# Altium PCB relay_matrix.PcbDoc (part 4 of 9)
Units mm, origin at the board's own origin, x right, y up, seen from the top; angles counter-clockwise.
Board outline 330 x 220 mm, 2 copper layers (Top Layer, Bottom Layer); 498 components, 345 nets, 2134 pads, 717 vias.
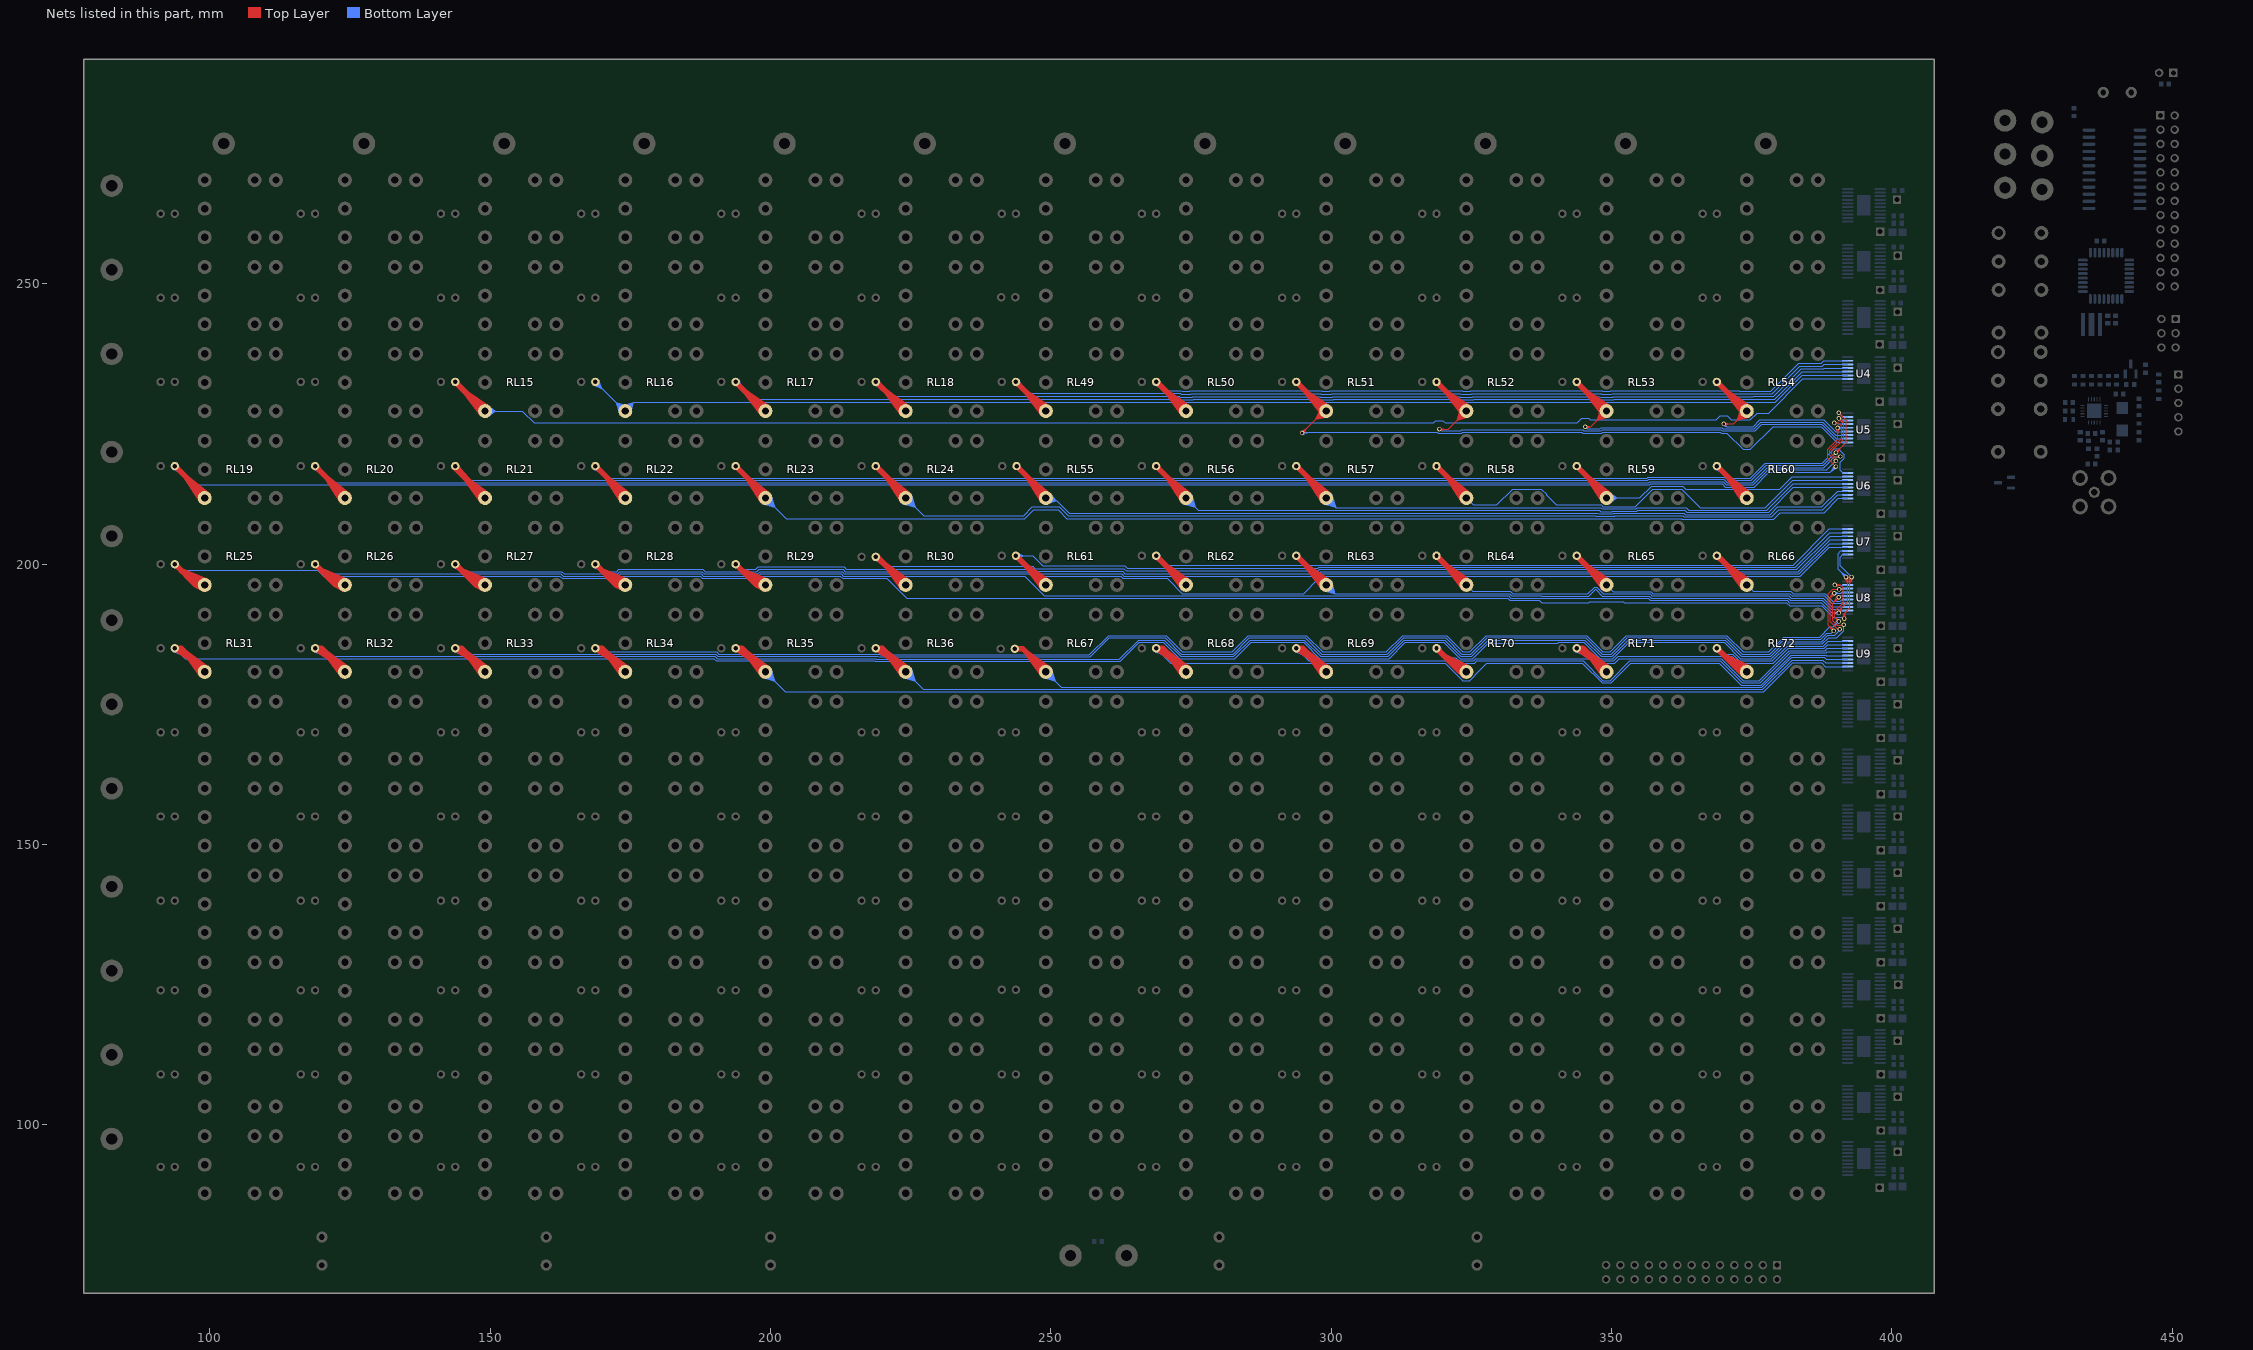
[diagram p4: the nets of this part, all layers, seen from the top]

## Via types
v1: diameter 0.8, hole 0.5, Top Layer to Bottom Layer, 477 vias
v2: diameter 0.8, hole 0.5, Top Layer to Bottom Layer, tented both sides, 122 vias
v3: diameter 0.6, hole 0.3, Top Layer to Bottom Layer, 112 vias
v4: diameter 7, hole 5, Top Layer to Bottom Layer, 6 vias

## Nets (pads, with @x,y where several pads share a name; then routed paths per layer and width w, separated by ;. In a path a pad name is that pad's centre, name@x,y a point inside that pad or via, vN(x,y) a via of type N, cw(c..) or ccw(c..) an arc to the next point about the centre after c; other vN are vias at no path point) (continued)
CONTROL_26: D15.2 RL15.3 U4.4 | length 293
  Top Layer w1: D15.2@143.77,232.5 148.97,227.3 RL15.3@149.1,227.3 145.678,230.592 ; RL15.3@148.539,226.802 145.678,230.592 ; RL15.3@149.576,227.88 145.678,230.592
  Bottom Layer w0.2: RL15.3@149.1,227.3 155.737,227.3 157.837,225.2 318.279,225.2 318.679,225.6 319.921,225.6 320.321,225.2 343.879,225.2 344.679,226 345.921,226 346.171,225.75 368.629,225.75 369.379,226.5 370.621,226.5 371.371,225.75 374.742,225.75 375.942,226.95 378.021,226.95 384.096,233.025 U4.4@392.1,233.025 ; RL15.3@149.106,227.15 150.95,227.3 ; RL15.3@149.106,227.45 150.95,227.3 ; RL15.3@149.133,226.952 150.95,227.3 ; RL15.3@149.133,227.648 150.95,227.3 ; RL15.3@149.182,226.756 150.95,227.3 ; RL15.3@149.182,227.844 150.95,227.3 ; RL15.3@149.252,226.566 150.95,227.3 ; RL15.3@149.252,228.034 150.95,227.3 ; RL15.3@149.344,226.382 150.95,227.3 ; RL15.3@149.344,228.218 150.95,227.3 ; RL15.3@149.457,226.207 150.95,227.3 ; RL15.3@149.457,228.393 150.95,227.3 ; 390.5,233.025 U4.4@391.275,233.025
CONTROL_27: D16.2 RL16.3 U4.5 | length 295.7
  Bottom Layer w0.2: D16.2@168.409,231.959 169.944,231.326 ; D16.2@168.498,232.142 169.944,231.326 ; D16.2@168.607,232.31 169.944,231.326 ; D16.2@168.77,232.5 RL16.3@174.035,227.235 ; D16.2@168.96,232.663 169.944,231.326 ; D16.2@169.128,232.772 169.944,231.326 ; D16.2@169.311,232.861 169.944,231.326 ; RL16.3@173.136,226.672 172.375,228.895 ; RL16.3@173.327,226.747 172.375,228.895 ; RL16.3@173.509,226.838 172.375,228.895 ; RL16.3@173.529,228.298 175.65,228.85 ; RL16.3@173.59,228.101 175.65,228.85 ; RL16.3@173.668,227.913 175.65,228.85 ; RL16.3@173.682,226.943 172.375,228.895 ; RL16.3@173.763,227.735 175.65,228.85 ; RL16.3@173.844,227.061 172.375,228.895 ; RL16.3@173.873,227.566 175.65,228.85 ; RL16.3@173.995,227.193 172.375,228.895 ; RL16.3@173.998,227.41 175.65,228.85 ; RL16.3@174.198,227.413 172.375,228.895 ; RL16.3@174.21,227.198 175.65,228.85 ; RL16.3@174.318,227.574 172.375,228.895 ; RL16.3@174.366,227.073 175.65,228.85 ; RL16.3@174.424,227.745 172.375,228.895 ; RL16.3@174.515,227.925 172.375,228.895 ; RL16.3@174.535,226.963 175.65,228.85 ; RL16.3@174.591,228.114 172.375,228.895 ; RL16.3@174.65,228.31 172.375,228.895 ; RL16.3@174.713,226.868 175.65,228.85 ; RL16.3@174.901,226.79 175.65,228.85 ; RL16.3@175.098,226.729 175.65,228.85 ; 390.5,233.675 U4.5@391.275,233.675 ; U4.5@392.1,233.675 384.039,233.675 379.214,228.85 175.65,228.85 ; 172.375,228.895 RL16.3@174.1,227.3 175.65,228.85
CONTROL_28: D17.2 RL17.3 U4.6 | length 234.5
  Top Layer w1: D17.2@193.77,232.5 198.97,227.3 RL17.3@199.1,227.3 195.678,230.592 ; RL17.3@198.539,226.802 195.678,230.592 ; RL17.3@199.576,227.88 195.678,230.592
  Bottom Layer w0.2: D17.2@193.409,231.959 194.944,231.326 ; D17.2@193.498,232.142 194.944,231.326 ; D17.2@193.607,232.31 194.944,231.326 ; D17.2@193.77,232.5 196.82,229.45 272.666,229.45 272.816,229.3 275.384,229.3 275.484,229.4 297.716,229.4 297.816,229.3 300.384,229.3 300.484,229.4 322.716,229.4 322.816,229.3 325.384,229.3 325.484,229.4 347.716,229.4 347.816,229.3 350.384,229.3 350.484,229.4 379.057,229.4 383.982,234.325 U4.6@392.1,234.325 ; D17.2@193.96,232.663 194.944,231.326 ; D17.2@194.128,232.772 194.944,231.326 ; D17.2@194.311,232.861 194.944,231.326 ; 390.5,234.325 U4.6@391.275,234.325
CONTROL_29: D18.2 RL18.3 U4.7 | length 213.4
  Top Layer w1: 221.699,229.701 D18.2@218.77,232.5 218.9,232.5 RL18.3@224.1,227.3 220.729,230.671 ; RL18.3@223.53,226.813 220.729,230.671 ; RL18.3@224.587,227.87 220.729,230.671
  Bottom Layer w0.2: D18.2@218.409,231.959 219.944,231.326 ; D18.2@218.498,232.142 219.944,231.326 ; D18.2@218.607,232.31 219.944,231.326 ; D18.2@218.77,232.5 221.32,229.95 272.873,229.95 273.023,229.8 275.177,229.8 275.277,229.9 297.923,229.9 298.023,229.8 300.177,229.8 300.277,229.9 322.923,229.9 323.023,229.8 325.177,229.8 325.277,229.9 347.923,229.9 348.023,229.8 350.177,229.8 350.277,229.9 372.923,229.9 375.277,229.9 375.327,229.95 378.899,229.95 383.774,234.825 387.802,234.825 387.952,234.975 U4.7@392.1,234.975 ; D18.2@218.96,232.663 219.944,231.326 ; D18.2@219.128,232.772 219.944,231.326 ; D18.2@219.311,232.861 219.944,231.326 ; 390.5,234.975 U4.7@391.275,234.975
CONTROL_30: D49.2 RL49.3 U4.8 | length 184.2
  Top Layer w1: D49.2@243.77,232.5 248.97,227.3 RL49.3@249.1,227.3 245.678,230.592 ; RL49.3@248.539,226.802 245.678,230.592 ; RL49.3@249.576,227.88 245.678,230.592
  Bottom Layer w0.2: D49.2@243.409,231.959 244.944,231.326 ; D49.2@243.498,232.142 244.944,231.326 ; D49.2@243.607,232.31 244.944,231.326 ; D49.2@243.77,232.5 245.82,230.45 273.08,230.45 273.23,230.3 274.97,230.3 275.07,230.4 298.13,230.4 298.23,230.3 299.97,230.3 300.07,230.4 323.13,230.4 323.23,230.3 324.97,230.3 325.07,230.4 348.13,230.4 348.23,230.3 349.97,230.3 350.07,230.4 378.642,230.4 383.567,235.325 387.595,235.325 387.895,235.625 U4.8@392.1,235.625 ; D49.2@243.96,232.663 244.944,231.326 ; D49.2@244.128,232.772 244.944,231.326 ; D49.2@244.311,232.861 244.944,231.326 ; 390.5,235.625 U4.8@391.275,235.625
CONTROL_31: D50.2 RL50.3 U4.9 | length 163.2
  Top Layer w1: 271.699,229.701 D50.2@268.77,232.5 268.9,232.5 RL50.3@274.1,227.3 270.729,230.671 ; RL50.3@273.53,226.813 270.729,230.671 ; RL50.3@274.587,227.87 270.729,230.671
  Bottom Layer w0.2: D50.2@268.409,231.959 269.944,231.326 ; D50.2@268.498,232.142 269.944,231.326 ; D50.2@268.607,232.31 269.944,231.326 ; D50.2@268.77,232.5 270.32,230.95 273.287,230.95 273.437,230.8 274.763,230.8 274.863,230.9 298.337,230.9 298.437,230.8 299.763,230.8 299.863,230.9 323.337,230.9 323.437,230.8 324.763,230.8 324.863,230.9 348.337,230.9 348.437,230.8 349.763,230.8 349.863,230.9 372.8,230.9 372.85,230.85 378.385,230.85 383.36,235.825 387.388,235.825 387.838,236.275 U4.9@392.1,236.275 ; D50.2@268.96,232.663 269.944,231.326 ; D50.2@269.128,232.772 269.944,231.326 ; D50.2@269.311,232.861 269.944,231.326 ; 390.5,236.275 U4.9@391.275,236.275
CONTROL_32: D51.2 RL51.3 U5.2 | length 166
  Top Layer w0.2: v1@294.617,223.638 295.624,224.224 v1@295.038,223.217 ; v1(294.8,223.4) 298.7,227.3 RL51.3@298.97,227.3 ; RL51.3@298.189,228.002 297.274,225.874 ; RL51.3@298.374,227.913 297.274,225.874 ; RL51.3@298.549,227.809 297.274,225.874 ; RL51.3@298.712,227.69 297.274,225.874 ; RL51.3@298.864,227.559 297.274,225.874 ; RL51.3@299.004,227.415 297.274,225.874 ; RL51.3@299.1,227.3 297.274,225.874 ; RL51.3@299.188,227.179 297.274,225.874 ; RL51.3@299.294,227.009 297.274,225.874 ; RL51.3@299.385,226.829 297.274,225.874 ; RL51.3@299.46,226.642 297.274,225.874 ; RL51.3@299.519,226.447 297.274,225.874 ; RL51.3@299.561,226.246 297.274,225.874
  Top Layer w1: D51.2@293.77,232.5 298.97,227.3 RL51.3@299.1,227.3 295.678,230.592 ; RL51.3@298.539,226.802 295.678,230.592 ; RL51.3@299.576,227.88 295.678,230.592
  Bottom Layer w0.2: v1@294.795,223.7 295.879,223.569 ; v1@294.887,223.113 295.879,223.569 ; 390.5,221.725 U5.2@391.275,221.725 ; U5.2@392.1,221.725 390.175,221.725 387.35,224.55 378.842,224.55 374.742,220.45 373.458,220.45 370.558,223.35 369.529,223.35 369.329,223.55 348.458,223.55 348.258,223.35 344.894,223.35 344.694,223.55 323.458,223.55 323.258,223.35 319.06,223.35 318.86,223.55 308.288,223.55 308.269,223.569 295.069,223.569 294.8,223.3 v1(294.8,223.4) 295.879,223.569
CONTROL_33: D52.2 RL52.3 U5.3 | length 136.3
  Top Layer w0.2: v1(319.3,224.1) 320.9,224.1 RL52.3@324.1,227.3 322.426,225.626 ; v1@319.345,223.803 320.3,224.1 v1@319.345,224.397 ; RL52.3@323.114,227.891 322.426,225.626 ; RL52.3@323.307,227.823 322.426,225.626 ; RL52.3@323.492,227.74 322.426,225.626 ; RL52.3@323.669,227.641 322.426,225.626 ; RL52.3@323.835,227.529 322.426,225.626 ; RL52.3@323.991,227.403 322.426,225.626 ; RL52.3@324.203,227.191 322.426,225.626 ; RL52.3@324.329,227.035 322.426,225.626 ; RL52.3@324.441,226.869 322.426,225.626 ; RL52.3@324.54,226.692 322.426,225.626 ; RL52.3@324.623,226.507 322.426,225.626 ; RL52.3@324.691,226.314 322.426,225.626
  Top Layer w1: D52.2@318.77,232.5 323.97,227.3 RL52.3@324.1,227.3 320.678,230.592 ; RL52.3@323.539,226.802 320.678,230.592 ; RL52.3@324.576,227.88 320.678,230.592
  Bottom Layer w0.2: v1(319.3,224.1) 319.65,223.75 323.092,223.75 323.292,223.95 344.86,223.95 345.06,223.75 348.092,223.75 348.292,223.95 369.494,223.95 369.694,223.75 375.57,223.75 376.77,224.95 387.516,224.95 390.091,222.375 U5.3@392.1,222.375 ; 390.5,222.375 U5.3@391.275,222.375
CONTROL_34: D53.2 RL53.3 U5.4 | length 108.8
  Top Layer w0.2: v1(345.3,224.5) 346.3,224.5 ; v1@345.345,224.203 346.3,224.5 ; v1@345.345,224.797 346.3,224.5 ; RL53.3@348.114,227.891 347.426,225.626 ; RL53.3@348.307,227.823 347.426,225.626 ; RL53.3@348.492,227.74 347.426,225.626 ; RL53.3@348.669,227.641 347.426,225.626 ; RL53.3@348.835,227.529 347.426,225.626 ; RL53.3@348.991,227.403 347.426,225.626 ; RL53.3@349.203,227.191 347.426,225.626 ; RL53.3@349.329,227.035 347.426,225.626 ; RL53.3@349.441,226.869 347.426,225.626 ; RL53.3@349.54,226.692 347.426,225.626 ; RL53.3@349.623,226.507 347.426,225.626 ; RL53.3@349.691,226.314 347.426,225.626 ; 346.3,224.5 RL53.3@349.1,227.3 347.426,225.626
  Top Layer w1: D53.2@343.77,232.5 348.97,227.3 RL53.3@349.1,227.3 345.678,230.592 ; RL53.3@348.539,226.802 345.678,230.592 ; RL53.3@349.576,227.88 345.678,230.592
  Bottom Layer w0.2: v1(345.3,224.5) 345.65,224.15 347.927,224.15 348.127,224.35 369.66,224.35 369.86,224.15 375.405,224.15 376.605,225.35 387.681,225.35 390.006,223.025 U5.4@392.1,223.025 ; 390.5,223.025 U5.4@391.275,223.025
CONTROL_35: D54.2 RL54.3 U5.5 | length 85.3
  Top Layer w0.2: v1(370,225) 371.8,225 RL54.3@374.1,227.3 372.426,225.626 ; v1@370.045,224.703 371,225 v1@370.045,225.297 ; RL54.3@373.114,227.891 372.426,225.626 ; RL54.3@373.307,227.823 372.426,225.626 ; RL54.3@373.492,227.74 372.426,225.626 ; RL54.3@373.669,227.641 372.426,225.626 ; RL54.3@373.835,227.529 372.426,225.626 ; RL54.3@373.991,227.403 372.426,225.626 ; RL54.3@374.203,227.191 372.426,225.626 ; RL54.3@374.329,227.035 372.426,225.626 ; RL54.3@374.441,226.869 372.426,225.626 ; RL54.3@374.54,226.692 372.426,225.626 ; RL54.3@374.623,226.507 372.426,225.626 ; RL54.3@374.691,226.314 372.426,225.626
  Top Layer w1: D54.2@368.77,232.5 373.97,227.3 RL54.3@374.1,227.3 370.678,230.592 ; RL54.3@373.539,226.802 370.678,230.592 ; RL54.3@374.576,227.88 370.678,230.592
  Bottom Layer w0.2: v1@369.844,224.744 370.45,224.55 ; v1(370,225) 370.45,224.55 ; v1@370.256,225.156 370.45,224.55 ; 390.499,223.6 U5.5@391.275,223.675 ; U5.5@392.1,223.675 392.025,223.6 389.997,223.6 387.847,225.75 376.439,225.75 375.239,224.55 370.45,224.55
CONTROL_36: D19.2 RL19.3 U5.6 | length 354.8
  Top Layer w0.2: v1(390,217.4) 388.5,218.9 388.5,220.521 390.3,222.321 v1(390.3,224.3) 390.3,223.3 ; v1@390.003,224.255 390.3,223.3 ; v1@390.597,224.255 390.3,223.3
  Top Layer w1: D19.2@93.77,217.5 99.1,212.17 RL19.3@99.1,211.8 95.944,215.326 ; RL19.3@98.503,211.346 95.944,215.326 ; RL19.3@99.617,212.343 95.944,215.326
  Bottom Layer w0.2: D19.2@93.409,216.959 94.944,216.326 ; D19.2@93.498,217.142 94.944,216.326 ; D19.2@93.607,217.31 94.944,216.326 ; D19.2@93.77,217.5 97.12,214.15 356.814,214.15 356.964,214.3 369.707,214.3 370.257,213.75 375.405,213.75 378.055,216.4 389,216.4 v1(390,217.4) 389.176,216.576 ; D19.2@93.96,217.663 94.944,216.326 ; D19.2@94.128,217.772 94.944,216.326 ; D19.2@94.311,217.861 94.944,216.326 ; v1@389.762,217.583 389.176,216.576 ; v1@390.183,217.162 389.176,216.576 ; v1@390.338,224.598 U5.6@391.301,224.325 ; v1@390.339,224.598 U5.6@391.275,224.325 ; v1@390.352,224.005 U5.6@391.301,224.325 ; v1@390.354,224.005 U5.6@391.275,224.325 ; v1@390.5,224.325 U5.6@391.275,224.325 ; U5.6@392.1,224.325 390.325,224.325 v1(390.3,224.3) ; v1(390.3,224.3) U5.6@391.301,224.325 ; v1(390.3,224.3) U5.6@391.275,224.325
CONTROL_37: D20.2 RL20.3 U5.7 | length 322.4
  Top Layer w0.2: v1(389.699,225.2) 390.39,225.2 ; v1@389.764,224.907 390.39,225.2 ; v1@389.764,225.492 390.39,225.2 ; v1(390,218.4) 389.944,218.4 388.9,219.444 388.9,220.356 391,222.456 391,224.59 390.39,225.2
  Top Layer w1: D20.2@118.77,217.5 124.1,212.17 RL20.3@124.1,211.8 120.944,215.326 ; RL20.3@123.503,211.346 120.944,215.326 ; RL20.3@124.617,212.343 120.944,215.326
  Bottom Layer w0.2: D20.2@118.409,216.959 119.944,216.326 ; D20.2@118.498,217.142 119.944,216.326 ; D20.2@118.607,217.31 119.944,216.326 ; D20.2@118.77,217.5 121.72,214.55 356.649,214.55 356.799,214.7 369.873,214.7 370.423,214.15 375.239,214.15 377.889,216.8 388.4,216.8 v1(390,218.4) ; D20.2@118.96,217.663 119.944,216.326 ; D20.2@119.128,217.772 119.944,216.326 ; D20.2@119.311,217.861 119.944,216.326 ; v1@389.499,225.1 v1@389.549,225.05 ; 390.5,225 U5.7@391.275,224.975 ; U5.7@392.1,224.975 392.075,225 390.3,225 390.1,225.2 ; 390.1,225.2 v1(389.699,225.2) 390.1,225.2 ; 390.1,225.2 389.811,224.921 390.1,225.2 ; 390.1,225.2 389.811,225.478 390.1,225.2
CONTROL_38: D21.2 RL21.3 U5.8 | length 302.2
  Top Layer w0.2: v1@390.316,225.762 391.323,225.175 v1@390.737,226.183 ; v1(390.499,226) 391.4,225.099 391.4,222.29 389.3,220.19 389.3,219.61 389.71,219.2 390.599,219.2 390.699,219.1 v1(390.799,219.2)
  Top Layer w1: 146.455,214.445 D21.2@143.77,217.5 143.77,217.13 RL21.3@149.1,211.8 145.729,215.171 ; RL21.3@148.53,211.313 145.729,215.171 ; RL21.3@149.587,212.37 145.729,215.171
  Bottom Layer w0.2: D21.2@143.409,216.959 144.944,216.326 ; D21.2@143.498,217.142 144.944,216.326 ; D21.2@143.607,217.31 144.944,216.326 ; D21.2@143.77,217.5 146.32,214.95 356.483,214.95 356.633,215.1 370.039,215.1 370.589,214.55 375.073,214.55 377.723,217.2 387.866,217.2 389.3,218.634 389.3,218.69 389.81,219.2 v1(390.799,219.2) ; D21.2@143.96,217.663 144.944,216.326 ; D21.2@144.128,217.772 144.944,216.326 ; D21.2@144.311,217.861 144.944,216.326 ; v1@390.378,225.725 390.975,225.625 ; v1@390.737,226.182 390.975,225.625 ; U5.8@391.275,225.625 390.975,225.625 ; U5.8@392.1,225.625 390.975,225.625 ; 390.975,225.625 v1(390.499,226) 390.6,226 390.975,225.625
CONTROL_39: D22.2 RL22.3 U5.9 | length 269.2
  Top Layer w0.2: v1@389.817,220.138 390.824,220.724 v1@390.238,219.717 ; v1(390,219.9) 391.8,221.7 391.8,225.7 v1(390.5,227)
  Top Layer w1: D22.2@168.77,217.5 174.1,212.17 RL22.3@174.1,211.8 170.944,215.326 ; RL22.3@173.503,211.346 170.944,215.326 ; RL22.3@174.617,212.343 170.944,215.326
  Bottom Layer w0.2: D22.2@168.409,216.959 169.944,216.326 ; D22.2@168.498,217.142 169.944,216.326 ; D22.2@168.607,217.31 169.944,216.326 ; D22.2@168.77,217.5 170.92,215.35 356.317,215.35 356.467,215.5 370.204,215.5 370.754,214.95 374.908,214.95 377.558,217.6 387.7,217.6 388.9,218.8 388.9,218.856 389.944,219.9 v1(390,219.9) ; D22.2@168.96,217.663 169.944,216.326 ; D22.2@169.128,217.772 169.944,216.326 ; D22.2@169.311,217.861 169.944,216.326 ; v1(390.5,227) 391.225,226.275 U5.9@392.1,226.275
CONTROL_40: D23.2 RL23.3 U6.2 | length 248.7
  Top Layer w1: D23.2@193.77,217.5 199.1,212.17 RL23.3@199.1,211.8 195.944,215.326 ; RL23.3@198.503,211.346 195.944,215.326 ; RL23.3@199.617,212.343 195.944,215.326
  Bottom Layer w0.2: RL23.3@198.509,210.814 200.774,210.126 ; RL23.3@198.577,211.007 200.774,210.126 ; RL23.3@198.66,211.192 200.774,210.126 ; RL23.3@198.759,211.369 200.774,210.126 ; RL23.3@198.871,211.535 200.774,210.126 ; RL23.3@198.997,211.691 200.774,210.126 ; RL23.3@199.1,211.8 202.8,208.1 245.326,208.1 246.926,209.7 251.274,209.7 252.874,208.1 362.463,208.1 362.513,208.05 378.9,208.05 380.05,209.2 387.877,209.2 390.402,211.725 U6.2@392.1,211.725 ; RL23.3@199.209,211.903 200.774,210.126 ; RL23.3@199.365,212.029 200.774,210.126 ; RL23.3@199.531,212.141 200.774,210.126 ; RL23.3@199.708,212.24 200.774,210.126 ; RL23.3@199.893,212.323 200.774,210.126 ; RL23.3@200.086,212.391 200.774,210.126 ; 390.5,211.725 U6.2@391.275,211.725
CONTROL_41: D24.2 RL24.3 U6.3 | length 223.7
  Top Layer w1: D24.2@218.77,217.5 224.1,212.17 RL24.3@224.1,211.8 220.944,215.326 ; RL24.3@223.503,211.346 220.944,215.326 ; RL24.3@224.617,212.343 220.944,215.326
  Bottom Layer w0.2: RL24.3@223.509,210.814 225.774,210.126 ; RL24.3@223.577,211.007 225.774,210.126 ; RL24.3@223.66,211.192 225.774,210.126 ; RL24.3@223.759,211.369 225.774,210.126 ; RL24.3@223.871,211.535 225.774,210.126 ; RL24.3@223.997,211.691 225.774,210.126 ; RL24.3@224.1,211.8 227.3,208.6 245.119,208.6 246.719,210.2 251.481,210.2 253.081,208.6 333.093,208.6 333.098,208.605 337.203,208.605 337.207,208.6 347.209,208.6 347.259,208.55 350.517,208.55 350.567,208.6 362.67,208.6 362.82,208.45 378.593,208.45 379.843,209.7 387.67,209.7 390.345,212.375 U6.3@392.1,212.375 ; RL24.3@224.209,211.903 225.774,210.126 ; RL24.3@224.365,212.029 225.774,210.126 ; RL24.3@224.531,212.141 225.774,210.126 ; RL24.3@224.708,212.24 225.774,210.126 ; RL24.3@224.893,212.323 225.774,210.126 ; RL24.3@225.086,212.391 225.774,210.126 ; 390.5,212.375 U6.3@391.275,212.375
CONTROL_42: D55.2 RL55.3 U6.4 | length 194.1
  Top Layer w1: D55.2@243.87,217.5 249.1,212.27 RL55.3@249.1,211.8 245.998,215.372 ; RL55.3@248.497,211.355 245.998,215.372 ; RL55.3@249.626,212.335 245.998,215.372
  Bottom Layer w0.2: RL55.3@249.035,211.254 250.973,211.3 ; RL55.3@249.041,211.455 250.973,211.3 ; RL55.3@249.05,211.052 250.973,211.3 ; RL55.3@249.067,211.654 250.973,211.3 ; RL55.3@249.087,210.85 250.973,211.3 ; RL55.3@249.144,211.943 250.973,211.3 ; RL55.3@249.146,210.651 250.973,211.3 ; RL55.3@249.22,212.129 250.973,211.3 ; RL55.3@249.316,212.306 250.973,211.3 ; RL55.3@249.43,212.473 250.973,211.3 ; RL55.3@249.563,212.63 250.973,211.3 ; RL55.3@249.713,212.773 250.973,211.3 ; 390.5,213.025 U6.4@391.275,213.025 ; U6.4@392.1,213.025 390.288,213.025 387.463,210.2 379.635,210.2 378.286,208.85 363.127,208.85 362.877,209.1 354.734,209.1 354.684,209.05 350.38,209.05 350.28,208.95 347.707,208.95 347.557,209.1 337.414,209.1 337.41,209.105 332.89,209.105 332.886,209.1 253.288,209.1 251.088,211.3 249.6,211.3 RL55.3@249.1,211.8 250.973,211.3
CONTROL_43: D56.2 RL56.3 U6.5 | length 172.4
  Top Layer w1: D56.2@268.77,217.5 274.1,212.17 RL56.3@274.1,211.8 270.944,215.326 ; RL56.3@273.503,211.346 270.944,215.326 ; RL56.3@274.617,212.343 270.944,215.326
  Bottom Layer w0.2: RL56.3@273.509,210.814 275.774,210.126 ; RL56.3@273.577,211.007 275.774,210.126 ; RL56.3@273.66,211.192 275.774,210.126 ; RL56.3@273.759,211.369 275.774,210.126 ; RL56.3@273.871,211.535 275.774,210.126 ; RL56.3@273.997,211.691 275.774,210.126 ; RL56.3@274.1,211.8 276.3,209.6 332.679,209.6 332.683,209.605 337.617,209.605 337.621,209.6 347.835,209.6 348.085,209.35 350.115,209.35 350.215,209.45 354.519,209.45 354.669,209.6 363.084,209.6 363.434,209.25 377.978,209.25 382.403,213.675 U6.5@392.1,213.675 ; RL56.3@274.209,211.903 275.774,210.126 ; RL56.3@274.365,212.029 275.774,210.126 ; RL56.3@274.531,212.141 275.774,210.126 ; RL56.3@274.708,212.24 275.774,210.126 ; RL56.3@274.893,212.323 275.774,210.126 ; RL56.3@275.086,212.391 275.774,210.126 ; 390.5,213.675 U6.5@391.275,213.675